# Altium PCB 打样.PcbDoc (part 1 of 2)
Units mil, origin at the board's own origin, x right, y up, seen from the top; angles counter-clockwise.
Board outline 3502.21 x 4542.23 mil, 2 copper layers (Top Layer, Bottom Layer); 65 components, 100 nets, 436 pads, 372 vias.
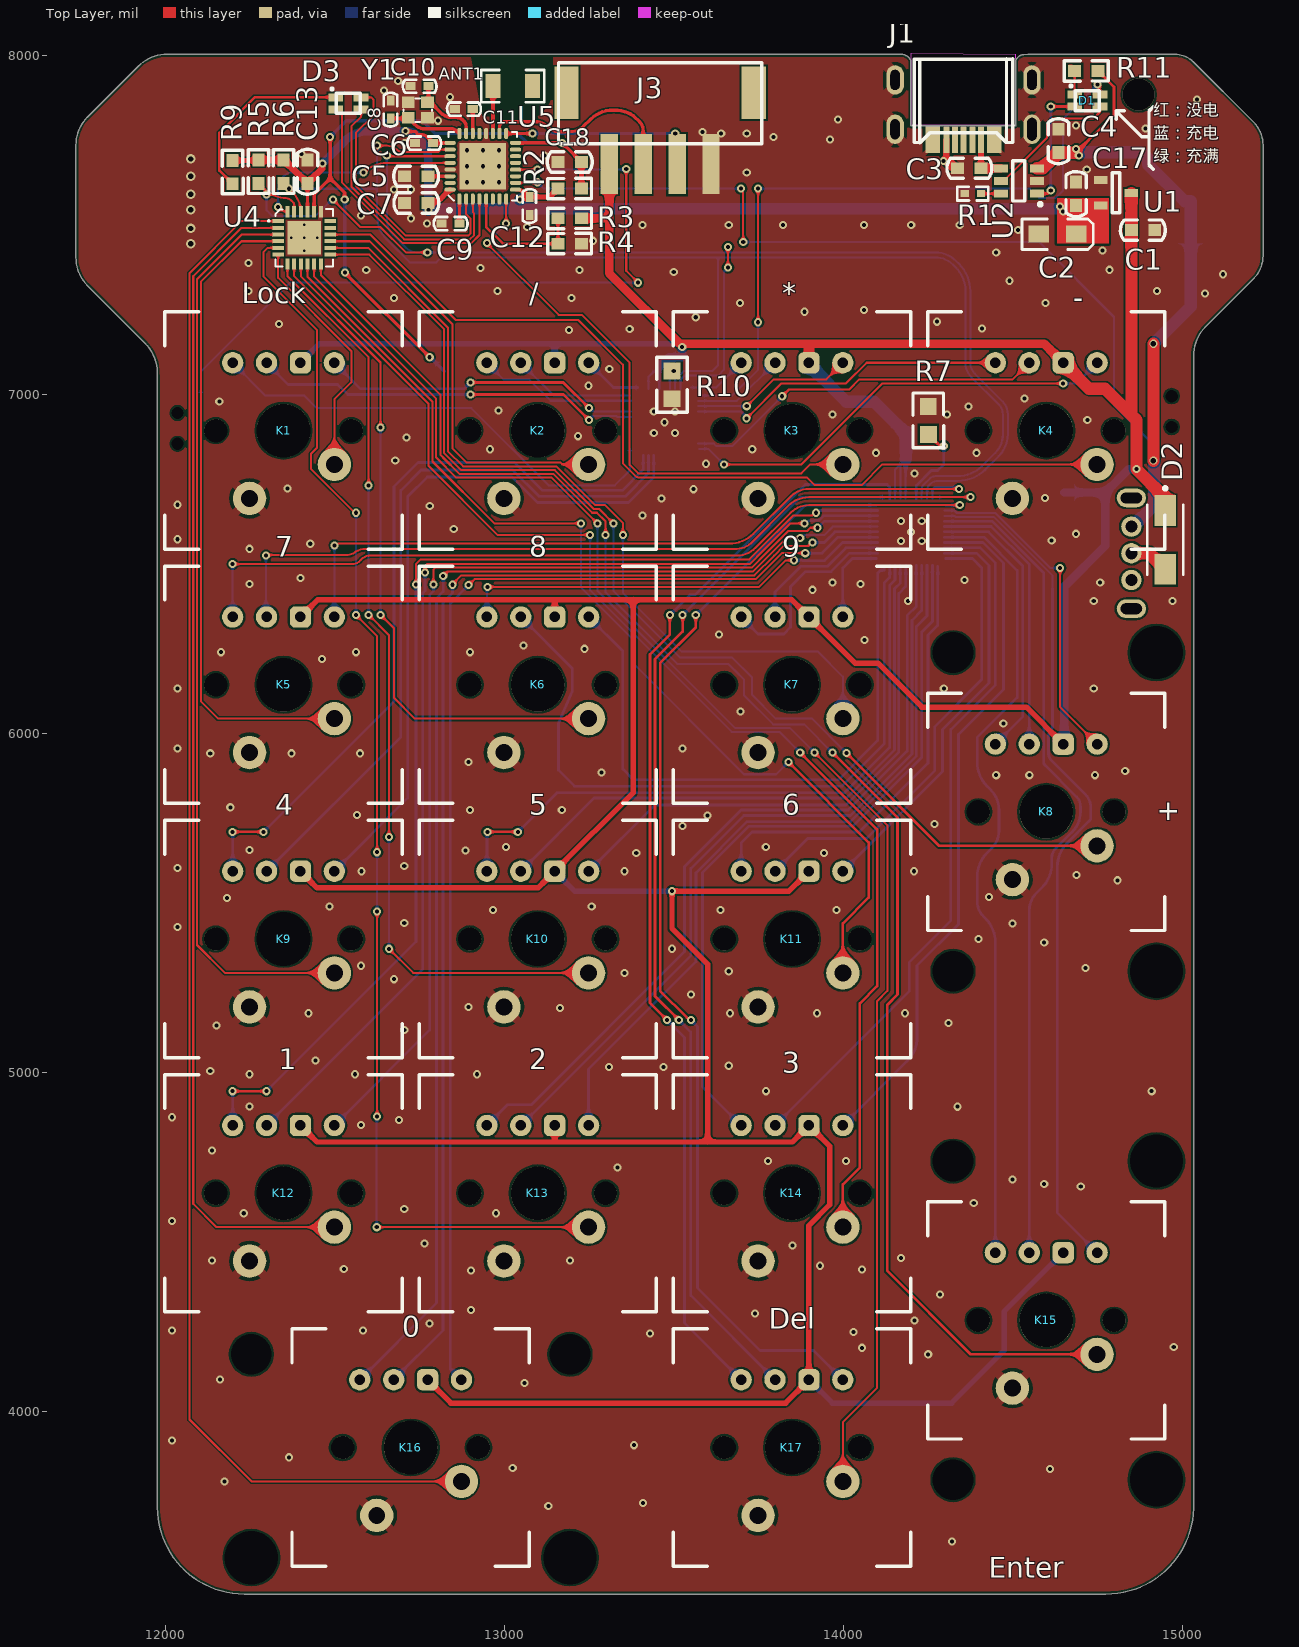
[diagram p0: Top Layer view]
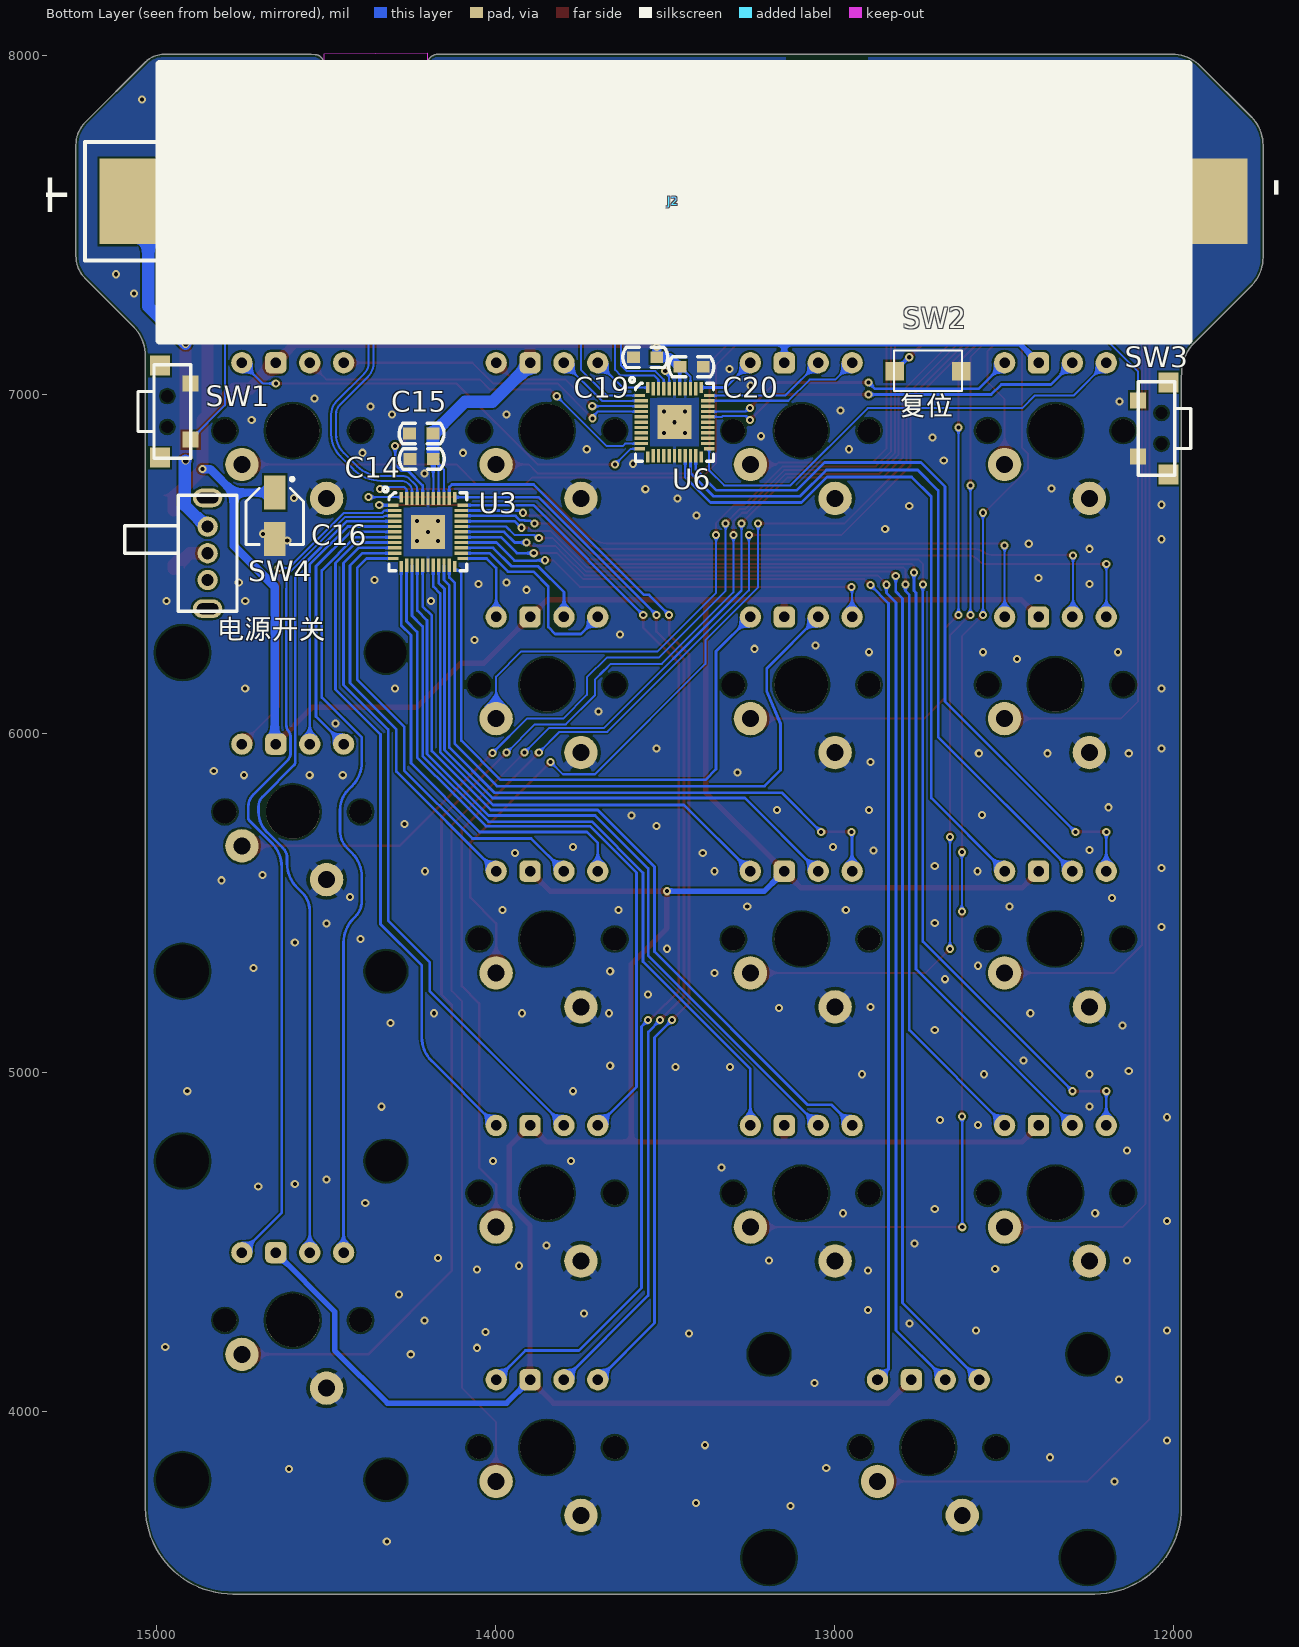
[diagram p1: Bottom Layer view, seen from below]
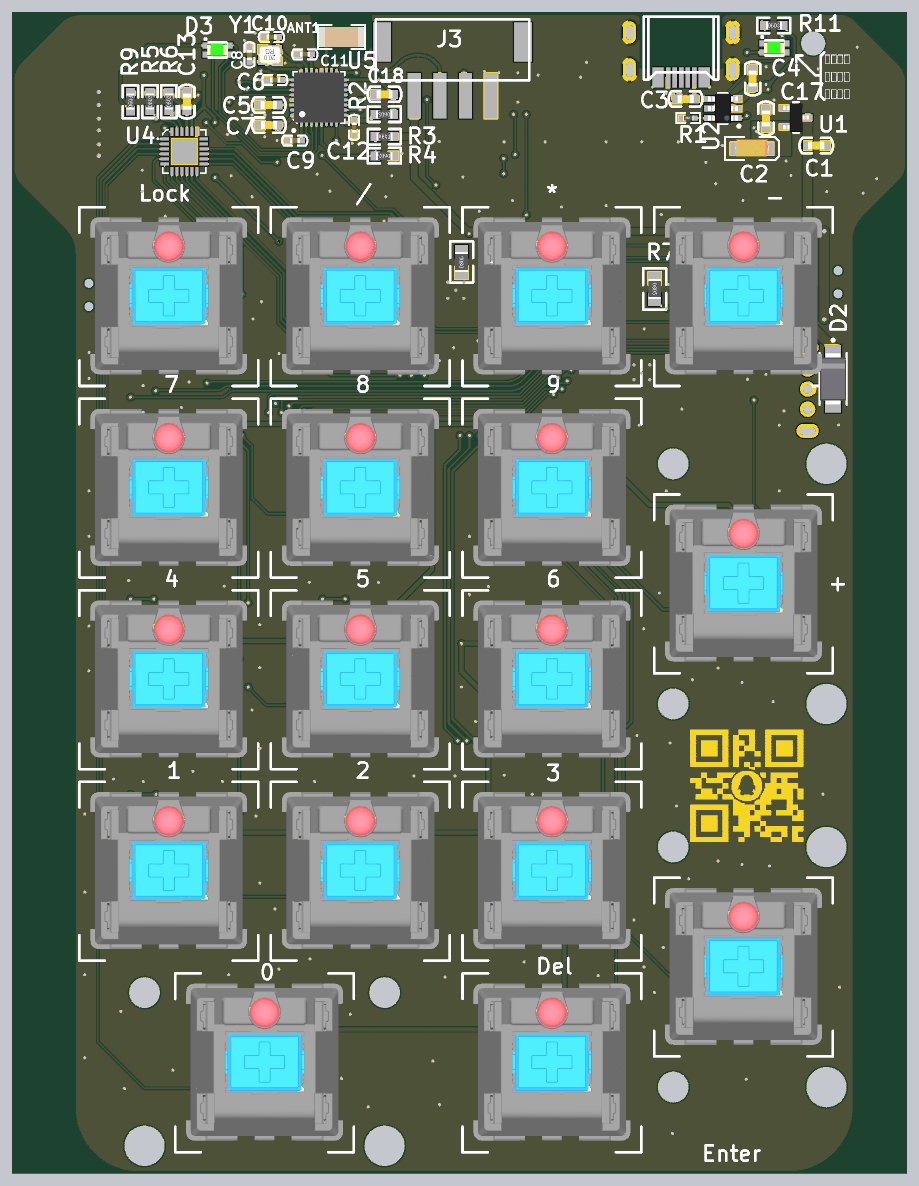
[diagram p3: 3D render of the assembled board from above, using the file's embedded part models]

## Layer stack, top to bottom
Top Solder: solder mask 0.4, Solder Resist, Dk 3.5
Top Layer: signal copper 1.4
Dielectric 1: dielectric 12.6, FR-4, Dk 4.8
Bottom Layer: signal copper 1.4
Bottom Solder: solder mask 0.4, Solder Resist, Dk 3.5

## Board outline
11976.39,7065.03 11976.39,7065.07 11976.39,7065.03 cw(c11854.29,7065) 11976.39,7065 11976.39,7065.03 11977.13,7050.08 11977.13,7050.07 cw(c11975.74,7050) 11977.13,7050 11977.13,3717.53 cw(c11975.74,3717.49) 11977.13,3717.49 ccw(c12233.23,3717.49) 12233.23,3461.39 14774.92,3461.39 cw(c14774.92,3460) 14775.11,3461.38 ccw(c14774.92,3720.14) 15033.61,3714.1 15033.61,7114.42 cw(c15155.71,7114.42) 15069.37,7200.76 15210.32,7341.71 cw(c15211.31,7340.73) 15210.33,7341.72 ccw(c15142.03,7410) 15238.61,7410 15238.61,7735.73 ccw(c15142.03,7735.73) 15210.33,7804 ccw(c15142.03,7735.73) 15210.32,7804.02 15032.46,7981.88 ccw(c14980,7929.42) 14980,8003.61 cw(c14980,8005) 14980,8003.61 cw(c14980,8005) 14980,8003.61 14545.06,8003.61 14532.36,8002.52 cw(c14532.24,8003.9) 14532.24,8002.51 ccw(c14532.24,7978.92) 14515.56,7995.6 14513.98,7994.02 ccw(c14512.99,7995) 14513.98,7994.02 ccw(c14526.3,7981.69) 14508.87,7981.69 14508.87,7793.9 cw(c14507.48,7793.9) 14507.48,7792.51 14201.5,7792.51 cw(c14201.5,7795.25) 14199.57,7793.31 cw(c14200.55,7794.3) 14199.16,7794.3 14199.16,7981.6 ccw(c14181.6,7981.6) 14194.03,7994 ccw(c14181.6,7981.6) 14194.02,7994.02 ccw(c14195,7995) 14194.03,7994 14194.02,7994.02 ccw(c14170.86,7970.86) 14170.86,8003.61 cw(c14170.86,8005) 14170.86,8003.61 ccw(c14170.86,8005) 14170.86,8003.61 14155.97,8003.61 ccw(c14155.97,8005) 14155.97,8003.61 12005.02,8003.61 12005,8003.61 ccw(c12005,8005) 12005.02,8003.61 12005,8003.61 ccw(c12005,7884.29) 11920.63,7968.66 11771.34,7819.37 ccw(c11770.36,7820.36) 11771.35,7819.38 11771.34,7819.37 ccw(c11855.71,7735) 11736.39,7735 11736.39,7405 ccw(c11855.71,7405) 11771.34,7320.63 cw(c11770.36,7319.64) 11771.35,7320.62 11771.34,7320.63 11940.63,7151.34 ccw(c11939.64,7150.36) 11940.62,7151.35 11940.63,7151.34 cw(c11854.29,7065)

## Design rules (kind name [scope] priority, off if disabled: settings)
BoardOutlineClearance [All] p1: gap=7.87 ignorepadtopadclearanceinfootprint=FALSE
Clearance [All] p1: gap=5 ignorepadtopadclearanceinfootprint=TRUE except(0: Arc-Text Arc-Hole Track-Text Track-Hole SMDPad-Hole THPad-Hole Via-Hole Fill-Text Fill-Hole Poly-Text Poly-Hole Region-Text Region-Hole Text-Text; 3.5: SMDPad-Text THPad-Text Via-Text Text-Hole; 5.91: Via-Fill Via-Poly Via-Region; 5.98: Arc-Via Track-Via SMDPad-Fill SMDPad-Poly SMDPad-Region THPad-Fill THPad-Poly THPad-Region; 6: Arc-SMDPad Arc-THPad Track-SMDPad Track-THPad; 10: SMDPad-SMDPad SMDPad-THPad SMDPad-Via THPad-THPad THPad-Via Via-Via)
ComponentClearance [All] p1: gap=10 collisioncheckmode=3 verticalgap=10 showdistances=TRUE
DiffPairsRouting [All] p1: maxlimit=10 minlimit=6 mostfreqgap=10 toplayer_minwidth=5.98 toplayer_maxwidth=15 toplayer_prefwidth=15 bottomlayer_minwidth=5.98 bottomlayer_maxwidth=15 bottomlayer_prefwidth=15 maxuncoupledlength=500
HoleSize [All] p1: absolutevalues=TRUE maxlimit=23.62 minlimit=11.81 maxpercent=80.000 minpercent=20.000
MinimumSolderMaskSliver [All] p1: minsoldermaskwidth=1.97
PlaneConnect [All] p1: planeconnectstyle=Direct reliefexpansion=20 reliefentries=4 reliefconductorwidth=10 reliefairgap=10
PolygonConnect [All] p1: thpad.connectstyle=Relief thpad.reliefconductorwidth=26 thpad.reliefentries=4 thpad.polygonreliefangle="45 Angle" thpad.airgapwidth=10 smdpad.connectstyle=Direct smdpad.reliefconductorwidth=10 smdpad.reliefentries=4 smdpad.polygonreliefangle="90 Angle" smdpad.airgapwidth=10 via.connectstyle=Direct via.reliefconductorwidth=10 via.reliefentries=4 via.polygonreliefangle="90 Angle" via.airgapwidth=10
RoutingVias [All] p1: holewidth=15.75 width=27.56 viastyle="Through Hole" minholewidth=11.81 minwidth=23.62 maxholewidth=248.03 maxwidth=275.59
SilkToSilkClearance [All] p1: silktosilkclearance=5
SilkToSolderMaskClearance [IsPad] p1: minsilkscreentomaskgap=3.5 clearancetoexposedcopper=FALSE
SolderMaskExpansion [All] p1: expansion=4
UnRoutedNet [All] p1: checkbadconnections=TRUE
Width [All] p1: maxlimit=80 minlimit=5 preferedwidth=10
22 further rules are at their usual default settings.

## Components (designator, comment, footprint, x,y, rotation, side; value= is the part's Value field where it differs from the comment)
ANT1 "天线" ANT 13025,7910 r0 top
C1 "104" C0603 14919,7485 r180 top value=22pF
C2 "104" C0603 14687.15,7626.6 r270 top value=22pF
C3 "105" C0603 14337.44,7667.6 r0 top value=22pF
C4 "226 6.3V" C0603 14635,7782.6 r270 top value=22pF
C5 "105" C0603 12775,7644.01 r180 top value=22pF
C6 "104" C0402 12787,7742.44 r180 top value=22pF
C7 "475" C0603 12706,7565 r0 top value=22pF
C8 "120" C0402 12665,7817.5 r90 top value=22pF
C9 "104" C0402 12864.91,7505 r180 top value=22pF
C10 "120" C0402 12773.54,7910 r180 top value=22pF
C11 "101" C0402 12904.28,7842.68 r180 top value=22pF
C12 "104" C0402 13075,7533.18 r90 top value=22pF
C13 "105" C0603 12419.6,7692.11 r270 top value=22pF
C14 "104" C0603 14253.26,6810.08 r180 bottom value=22pF
C15 "105" C0603 14254,6885 r180 bottom value=22pF
C16 "电解电容" "贴片电解 4*5.4" 14651.98,6642.19 r270 bottom
C17 "电解电容" 3216-ce 14687.15,7473.06 r0 top value=100pF
C18 "104" C0603 13158.51,7685.89 r0 top value=22pF
C19 "104" C0603 13594,7110 r180 bottom value=22pF
C20 "105" C0603 13388,7082 r0 bottom value=22pF
D1 "RGB_LED" LED-SMD-1.6X1.5X0.6-YX3(4P) 14720,7867.28 r0 top
D2 "肖特基" DO-214AC（SMA） 14950,6571.61 r90 top
D3 "RGB_LED" LED-SMD-1.6X1.5X0.6-YX3(4P) 12540,7859.05 r0 top
J1 "USB" MICRO-USB-2 14355,7840 r270 top
J2 "干电池" 18650 12106.57,7570 r0 bottom locked
J3 "SIP-4" XH2.54-4AB 13460,7785 r0 top
K1 "Lock" Key5RGB 12348.87,6893.83 r0 top locked
K2 "/" Key5RGB 13098.86,6893.83 r0 top locked
K3 "*" Key5RGB 13848.89,6893.83 r0 top locked
K4 "-" Key5RGB 14598.89,6893.83 r0 top locked
K5 "7" Key5RGB 12348.88,6143.86 r0 top locked
K6 "8" Key5RGB 13098.86,6143.86 r0 top locked
K7 "9" Key5RGB 13848.89,6143.86 r0 top locked
K8 "+" Key5RGB 14598.89,5768.86 r0 top locked
K9 "4" Key5RGB 12348.88,5393.86 r0 top locked
K10 "5" Key5RGB 13098.86,5393.86 r0 top locked
K11 "6" Key5RGB 13848.89,5393.86 r0 top locked
K12 "1" Key5RGB 12348.87,4643.8 r0 top locked
K13 "2" Key5RGB 13098.86,4643.8 r0 top locked
K14 "3" Key5RGB 13848.89,4643.8 r0 top locked
K15 "Enter" Key5RGB 14598.89,4268.81 r0 top locked
K16 "0" Key5RGB 12723.89,3893.81 r0 top locked
K17 "Del" Key5RGB 13848.89,3893.81 r0 top locked
R1 "1.58k" R0402 14358.24,7592.8 r0 top value=150R
R2 "10K" R0603 13227.51,7607.45 r180 top value=150R
R3 "10K" R0603 13158.51,7520 r0 top value=150R
R4 "10K" R0603 13227.51,7445 r180 top value=150R
R5 "4.7K" R0603 12275,7623.11 r90 top value=150R
R6 "4.7K" R0603 12348.87,7623.11 r90 top value=150R
R7 "2K" R0805 14250.8,6964.84 r270 top value=150R
R9 "1K" R0603 12198.58,7621.89 r90 top value=150R
R10 "2K" R0805 13495.2,6987.7 r90 top value=150R
R11 "1K" R0603 14682.6,7955 r0 top value=150R
SW1 "SW" 侧按钮 14945,6950 r90 bottom
SW2 "SW" 按键微动开关2 12725,7070 r180 bottom
SW3 "SW" 侧按钮 12060,6900 r270 bottom
SW4 "K3-1235S-K1" SW-TH_3PIN_SK12D07VG4 14850,6531.66 r270 bottom
U1 "AMS1117-3V3" SOT-23 14804.72,7595 r270 top
U2 "TP4059" SOT-23-6 14518.15,7630.2 r90 top
U3 "IS31FL3236A" QFN-44-5X5MM-0.4PITCH 14200,6595 r270 bottom
U4 "TCA8418RTWR" WQFN-24-4X4XP0.5MM 12409.75,7462.2 r0 top
U5 "nRF52810-QCAA" QFN32P500X500X90 12936.81,7673.54 r90 top
U6 "IS31FL3236A" QFN-44-5X5MM-0.4PITCH 13472.75,6918.43 r270 bottom
Y1 "32M" OSC_2016 12745,7839.19 r180 top

## Footprints (in the part's own frame and the unit in brackets; to place one, negate y for a bottom-side part, rotate by r counter-clockwise, add the part's x,y. Pads: shape width x height; smd on the part's side, far side on the other; paste and mask are expansions set on the pad)
3216-ce [mil]
  rect 60x50 smd: 1(0,0) 2(-110,0)
  silkscreen extent -160,-45 50,45, body extent -122,-31 12,35, height 67
18650 [mm] "单节电池座"
  rect 7.3x6.4 smd: 1(74.128,0) 2(-4.572,0)
  silkscreen extent -3.82,-10.29 78.87,10.41
ANT [mm]
  rect 1.13x1.8 smd: 0(1.49,0) 1(-1.49,0)
  silkscreen extent -2.36,-1.2 2.36,1.2, body extent -2.25,-1 2.25,1, height 0.88
C0402 [mil]
  rect 30x23 smd: 1(-3,0) 2(50,0)
  silkscreen extent -27,-19 73,20, body extent 2,-10 42,10, height 20
C0603 [mil]
  rect 38x35 smd: 1(0,0) 2(69,0)
  silkscreen extent -31,-30 101,30, body extent 4,-16 67,16, height 12
DO-214AC（SMA） [mm]
  rect 2.3x1.6 smd: 1(-2.2,0) 2(2.2,0)
  silkscreen extent -2.6,-1.35 3.97,1.35, body extent -2.6,-1.3 2.6,1.3, height 2.4
Key5RGB [mm]
  rrect50% 1.6x1.6 hole 0.787: 0(1.27,5.08)
  round 1.6 hole 0.787: 1(3.81,5.08) 2(-1.27,5.08) 3(-3.81,5.08)
  round 2.5 hole 1.27: 4(-2.54,-5.08) 5(3.81,-2.54)
  round 1.7 hole 1.753: ""(-5.08,0) ""(5.08,0)
  round 4 hole 4.013: ""(0,0)
  silkscreen extent -8.89,-8.89 8.89,8.89, body extent -7.8,-7.73 7.8,7.87, height 15.47
LED-SMD-1.6X1.5X0.6-YX3(4P) [mm]
  rect 1.1x0.6 smd: 0(-0.95,0.45) 1(-0.95,-0.45) 2(0.95,-0.45) 3(0.95,0.45)
  silkscreen extent -1.27,-0.75 0.9,1.14, body extent -1.06,-0.62 0.96,0.64, height 1.1
MICRO-USB-2 [mm]
  rect 2x0.45 smd: 1(2.243,1.307) 2(2.243,0.656) 3(2.243,0.007) 4(2.243,-0.643) 5(2.243,-1.293)
  oval 2.2x1.3 hole 0.7 slot 1.5 at 0 deg: 5(-2.243,5.126) 5(-2.243,-5.126) 5(1.458,-5.126)
  oval 2.2x1.3 hole 0.7 slot 1.701 at 0 deg: 5(1.458,5.126)
  rect 2x1.1 smd: 5(2.228,2.296) 5(2.228,-2.304)
  Keep-Out Layer board cut-out: -4.163,3.873 1.171,3.873 1.171,-3.933 -4.183,-3.923 -4.233,-3.923 -4.163,3.873
  silkscreen extent -3.81,-3.7 2.46,3.7
OSC_2016 [mm] "Crystal 2.0 x 1.6 mm"
  rect 0.95x0.85 smd: 1(-0.725,-0.575) 2(0.725,0.575) 3(-0.725,0.575) 3(0.725,-0.575)
  silkscreen extent -1.08,-0.88 1.08,0.88, body extent -1.05,-0.85 1.05,0.85, height 0.56
QFN32P500X500X90 [mm] "nrf52810qcaa"
  oval 0.85x0.3 smd mask+0.076: 1(-2.45,1.75) 2(-2.45,1.25) 3(-2.45,0.75) 4(-2.45,0.25) 5(-2.45,-0.25) 6(-2.45,-0.75) 7(-2.45,-1.25) 8(-2.45,-1.75) 17(2.45,-1.75) 18(2.45,-1.25) 19(2.45,-0.75) 20(2.45,-0.25) 21(2.45,0.25) 22(2.45,0.75) 23(2.45,1.25) 24(2.45,1.75)
  oval 0.3x0.85 smd mask+0.076: 9(-1.75,-2.45) 10(-1.25,-2.45) 11(-0.75,-2.45) 12(-0.25,-2.45) 13(0.25,-2.45) 14(0.75,-2.45) 15(1.25,-2.45) 16(1.75,-2.45) 25(1.75,2.45) 26(1.25,2.45) 27(0.75,2.45) 28(0.25,2.45) 29(-0.25,2.45) 30(-0.75,2.45) 31(-1.25,2.45) 32(-1.75,2.45)
  rect 3.5x3.5 smd: 33(0,0)
  silkscreen extent -3.42,-2.57 2.57,2.62, body extent -2.5,-2.5 2.5,2.5, height 0.9
QFN-44-5X5MM-0.4PITCH [mm]
  rect 0.25x0.8 smd: 1(-2,-2.6) 11(2,-2.6) 23(2,2.6) 33(-2,2.6)
  rect 0.25x1 smd: 2(-1.6,-2.5) 3(-1.2,-2.5) 4(-0.8,-2.5) 5(-0.4,-2.5) 6(0,-2.5) 7(0.4,-2.5) 8(0.8,-2.5) 9(1.2,-2.5) 10(1.6,-2.5) 24(1.6,2.5) 25(1.2,2.5) 26(0.8,2.5) 27(0.4,2.5) 28(0,2.5) 29(-0.4,2.5) 30(-0.8,2.5) 31(-1.2,2.5) 32(-1.6,2.5)
  rect 0.8x0.25 smd: 12(2.6,-2) 22(2.6,2) 34(-2.6,2) 44(-2.6,-2)
  rect 1x0.25 smd: 13(2.5,-1.6) 14(2.5,-1.2) 15(2.5,-0.8) 16(2.5,-0.4) 17(2.5,0) 18(2.5,0.4) 19(2.5,0.8) 20(2.5,1.2) 21(2.5,1.6) 35(-2.5,1.6) 36(-2.5,1.2) 37(-2.5,0.8) 38(-2.5,0.4) 39(-2.5,0) 40(-2.5,-0.4) 41(-2.5,-0.8) 42(-2.5,-1.2) 43(-2.5,-1.6)
  rect 2.55x2.55 smd: 45(0,0)
  silkscreen extent -3.35,-3.35 2.92,2.92
R0402 [mil] "1/16W"
  rect 25x20 smd: 1(0,0) 2(48.2,0)
  silkscreen extent -22,-20 70,20, body extent 5,-10 44,10, height 14
R0603 [mil] "1/10W"
  rect 38x35 smd: 1(0,0) 2(69,0)
  silkscreen extent -30,-31 99,30, body extent 4,-16 66,16, height 18
R0805 [mil] "1/8W"
  rect 50x50 smd: 1(0,0) 2(82.3,0.2)
  silkscreen extent -40,-45 122,45, body extent 1,-24 80,25, height 22
SOT-23 [mm] "SOT-23-3"
  rect 0.6x1 smd: 1(-0.95,-1.15) 2(0.95,-1.15) 3(0,1.15)
  silkscreen extent -1.5,-0.27 1.5,0.27, body extent -1.46,-1.28 1.46,1.27, height 0.99
SOT-23-6 [mm] "SOT-23-6"
  rect 0.6x1.05 smd: 1(-0.95,-1.35) 2(0,-1.35) 3(0.95,-1.35) 4(0.95,1.35) 5(0,1.35) 6(-0.95,1.35)
  silkscreen extent -1.88,-1.73 1.5,0.45, body extent -1.5,-1.5 1.5,1.5, height 1.3
SW-TH_3PIN_SK12D07VG4 [mil]
  oval 55.12x86.61 hole 31.5 slot 62.99 at 90 deg: 0(-163.39,0) 0(163.39,0)
  round 60 hole 36: 1(-78.74,0) 2(0,0) 3(78.74,0)
  silkscreen extent -171,-244 171,87
WQFN-24-4X4XP0.5MM [mil]
  rect 33.4x11.8 smd: 1(-76.75,49.2) 2(-76.75,29.5) 3(-76.75,9.8) 4(-76.75,-9.9) 5(-76.75,-29.5) 6(-76.75,-49.2) 13(76.75,-49.2) 14(76.75,-29.5) 15(76.75,-9.9) 16(76.75,9.8) 17(76.75,29.5) 18(76.75,49.2)
  rect 11.8x33.4 smd: 7(-49.15,-76.8) 8(-29.55,-76.8) 9(-9.85,-76.8) 10(9.85,-76.8) 11(29.55,-76.8) 12(49.25,-76.8) 19(49.25,76.8) 20(29.55,76.8) 21(9.85,76.8) 22(-9.85,76.8) 23(-29.55,76.8) 24(-49.15,76.8)
  rect 98.4x98.4 smd: 25(0.25,0.2)
  silkscreen extent -107,-85 85,85
XH2.54-4AB [mm]
  rect 1.3x4.5 smd: 1(-3.811,-2.675) 2(-1.271,-2.675) 3(1.269,-2.675) 4(3.809,-2.675)
  rect 1.801x3.901 smd: 5(-7.011,2.675) 6(7.011,2.675)
  silkscreen extent -7.62,-1.13 7.62,4.93
侧按钮 [mil]
  rect 47.24x47.24 smd: 1(-82.67,-45) 2(82.68,-45)
  rect 59.05x59.05 smd: 3(-135.82,45) 3(135.83,45)
  oval 0x43.03 hole 36 unplated mask+0: ""(-45.3,23.9) ""(45.3,23.9)
  silkscreen extent -138,-45 138,111
按键微动开关2 [mm]
  rect 1.4x1.4 smd: 1(-2.5,-0.024) 2(2.5,-0.024)
  silkscreen extent -2.54,-1.52 2.54,1.52, body extent -2.5,-1.52 2.5,1.48, height 2.1
"贴片电解 4*5.4" [mm] "贴片电解 4*5.4"
  rect 2.55x1.6 smd: 1(-1.75,0) 2(1.75,0)
  silkscreen extent -2.87,-2.15 2.15,2.15

## Part data
C1 C2 C3 C4 C5 C6 C7 C8 C9 C10 C11 C12 C13 C14 C15 C18 C19 C20: library part 电容, "Capacitor", LatestRevisionDate=17-Jul-2002, LatestRevisionNote="Re-released for DXP Platform.", PackageDescription="Radial Cap, Thru-Hole; 2 Leads; 0.3 in Pin Spacing", PackageReference=RAD-0.3, Published=8-Jun-2000, Publisher="Altium Limited"
C16 C17: "Polarized Capacitor (Axial)"
  C17: LatestRevisionDate=17-Jul-2002, LatestRevisionNote="Re-released for DXP Platform.", PackageDescription="Polarized Capacitor; 2 Leads", PackageReference=POLAR0.8, Published=8-Jun-2000, Publisher="Altium Limited"
D2: "Schottky Diode"
J2: "Battery"
K1 K2 K3 K4 K5 K6 K7 K8 K9 K10 K11 K12 K13 K14 K15 K16 K17: library part Key5RGB
R1 R2 R3 R4 R5 R6 R7 R9 R10 R11: library part 电阻, "Resistor", LatestRevisionDate=17-Jul-2002, LatestRevisionNote="Re-released for DXP Platform.", PackageDescription="Axial Device, Thru-Hole; 2 Leads; 0.3 in Pin Spacing", PackageReference=AXIAL-0.3, Published=8-Jun-2000, Publisher="Altium Limited"
SW1 SW2 SW3: library part Switch, "Single-Pole, Single-Throw Switch"
SW4: library part 单刀双掷, "Switch"
U1: library part 三端稳压, "三端稳压芯片", BOM名称=Î, 学习资源=www.oooc
U3 U6: library part FL3236, "36 CHANNEL LED DRIVER"
U4: library part TCA8418, BOM_Manufacturer="Texas Instruments", BOM_Manufacturer Part=TCA8418RTWR, BOM_Supplier=LCSC, BOM_Supplier Part=C138713, Contributor=LCSC, spicePre=U, spiceSymbolName=TCA8418RTWR
U5: "Multi-protocol Bluetooth Low Energy, ANT and 2.4GHz proprietary system-on-chip", Manufacturer="Nordic Semiconductor", Footprint Doc=QFN-32, LatestRevisionDate=2017-08-21, Manufacturer Part Number=nRF52810-QCAA, Note="nRF52810 - QFN32 5x5 0.5mm pitch", Part Number=nRF52810-QCAA, Pin Count=32, Published=2017-08-21, Publisher="Nordic Semiconductor"
Y1: library part XTAL_3Pin

## Free pads (board coordinates)
  round 0 hole 120: 0(12253.89,4168.81) 0(14323.89,3798.81) 0(14323.89,5298.86) 3(13193.89,4168.81) 3(14323.89,4738.81) 3(14323.89,6238.86)
  round 0 hole 157: 1(12253.89,3568.81) 1(14923.89,3798.81) 1(14923.89,5298.86) 4(13193.89,3568.81) 4(14923.89,4738.81) 4(14923.89,6238.86)

## Via types
v1: diameter 24, hole 12, Top Layer to Bottom Layer, tented both sides, 344 vias
v2: diameter 24, hole 12, Top Layer to Bottom Layer, tented bottom, 9 vias
v3: diameter 28, hole 16, Top Layer to Bottom Layer, tented both sides, 6 vias
v4: diameter 24, hole 12, Top Layer to Bottom Layer, tented top, 5 vias
v5: diameter 19.68, hole 7.87, Top Layer to Bottom Layer, tented both sides, 4 vias
v6: diameter 24, hole 16, Top Layer to Bottom Layer, tented both sides, 2 vias
v7: diameter 94.49, hole 94.49, Top Layer to Bottom Layer, tented both sides, 1 vias
v8: diameter 24, hole 7.87, Top Layer to Bottom Layer, tented both sides, 1 vias

## Nets (pads, with @x,y where several pads share a name; then routed paths per layer and width w, separated by ;. In a path a pad name is that pad's centre, name@x,y a point inside that pad or via, vN(x,y) a via of type N, cw(c..) or ccw(c..) an arc to the next point about the centre after c; other vN are vias at no path point)
+5: C3.2 J1.1 U2.4 | length 142.7
  Top Layer w15: C3.2@14406.44,7667.6 J1.1@14406.44,7751.69
  Top Layer w25: C3.2@14406.44,7667.6 U2.4@14465,7667.6
\CHRG: D1.1 U2.1 | length 362.7
  Top Layer w8: U2.1@14571.3,7592.8 14603.07,7592.8 v1(14612.28,7602) ; v1(14612.28,7849.56) D1.1@14682.6,7849.56
  Bottom Layer w8: v1(14612.28,7602) v1(14612.28,7849.56)
\INT: U4.24 U5.28 | length 629.1
  Top Layer w6: v1(12333,7553.31) 12337.91,7548.4 ccw(c12360.6,7571.09) U4.24@12360.6,7539 ; v1(12585,7655) cw(c12653.53,7586.47) 12653.53,7683.39 U5.28@12840.35,7683.39
  Bottom Layer w6: v1(12333,7553.31) 12333,7605.71 cw(c12387.17,7605.71) 12348.87,7644.02 cw(c12375.39,7617.49) 12375.39,7655 v1(12585,7655)
\STDBY: D1.2 U2.5 | length 416.4
  Top Layer w6: U2.5@14465,7630.2 14473.86,7630.2 14600.52,7756.85 14600.52,7797.35 14618.05,7814.89 14738.77,7814.89 14757.4,7833.51 D1.2@14757.4,7849.56
BLED: D3.1 U5.4 | length 825.4
  Top Layer w6: D3.1@12502.6,7841.33 12512.44,7841.33 12521.25,7832.52 12521.25,7625.72 12700.37,7446.6 12902.91,7446.6 12926.97,7470.66 U5.4@12926.97,7577.09
CH1: K5.1 U3.43 | length 2225.2
  Top Layer w6: v1(12498.88,6555) cw(c12510.95,6542.93) 12510.95,6560 13664.06,6560 ccw(c13664.06,6660) 13734.77,6589.29 13844.71,6699.23 cw(c13898.89,6645.05) 13898.89,6721.67 v1(14341.5,6721.67)
  Bottom Layer w6: K5.1@12498.88,6343.86 v1(12498.88,6555) ; U3.43@14262.99,6693.42 14262.99,6708.69 cw(c14278.23,6708.69) 14263.18,6711.09 14263.18,6720.84 14269.61,6727.26 14331.04,6727.26 14336.63,6721.67 v1(14341.5,6721.67)
CH2: K5.2 U3.44 | length 2426.8
  Top Layer w6: v1(12297.1,6525) cw(c12302.7,6519.4) 12302.7,6527.32 12539.2,6527.32 ccw(c12539.2,6560.29) 12555.01,6531.36 ; v1(14375,6697.36) 13898.89,6697.36 ccw(c13898.89,6611.55) 13838.21,6672.23 13728.12,6562.14 cw(c13686.74,6603.52) 13686.74,6545 12590.68,6545 ccw(c12590.68,6491.55) 12562.51,6536.98 ; 12555.01,6531.36 cw(c12590.68,6491.55) 12562.51,6536.98 ; 12555.01,6531.36 ccw(c12539.2,6560.29) 12562.51,6536.98
  Bottom Layer w6: v1(12297.1,6525) 12297.1,6348.17 ccw(c12303.19,6348.17) K5.2@12298.88,6343.86 ; U3.44@14278.74,6697.36 v1(14375,6697.36)
CH3: K5.3 U3.1 | length 2404.8
  Top Layer w6: v1(12198.88,6500) 12550.86,6500 ccw(c12550.86,6534.14) 12575,6510 12575,6510.28 12578.91,6514.19 ; 12578.93,6514.21 cw(c12605,6488.1) 12605,6525 13686.27,6525 ccw(c13686.27,6602.74) 13741.24,6547.77 13844.79,6651.32 cw(c13898.89,6597.28) 13898.89,6673.74 v1(14343.73,6673.74)
  Bottom Layer w6: K5.3@12198.88,6343.86 v1(12198.88,6500)
  Bottom Layer w8: U3.1@14302.37,6673.74 v1(14343.73,6673.74)
CH4: K6.1 U3.22 | length 1830.5
  Bottom Layer w8: K6.1@13248.86,6343.86 13350,6242.72 13350,5895 13381.49,5863.51 13985.65,5863.51 14101.58,5979.43 14101.58,6472.95 14110.45,6481.82 14120.34,6481.82 14121.26,6482.74 U3.22@14121.26,6492.64
CH5: K6.2 U3.21 | length 2088.5
  Bottom Layer w8: K6.2@13048.86,6343.86 13200.64,6192.07 13200.64,6125 13160,6029.45 13160,5892.09 13207.13,5844.96 13996.12,5844.96 14120.71,5969.55 14120.71,6444.23 14137.01,6460.53 U3.21@14137.01,6496.57
CH6: K6.3 U3.26 | length 1295.7
  Top Layer w6: v1(12950.52,6432.67) 13752.2,6432.67 13830.69,6511.15 v1(13854.81,6511.15)
  Bottom Layer w6: K6.3@12948.86,6343.86 12948.86,6431 v1(12950.52,6432.67)
  Bottom Layer w8: v1(13854.81,6511.15) 13854.94,6511.03 13877.88,6511.03 13878.88,6510.03 13944.55,6510.03 13998.02,6563.5 U3.26@14101.58,6563.5
CH7: K7.1 U3.23 | length 254.8
  Bottom Layer w8: K7.1@13998.89,6343.86 13998.89,6488.42 14026.72,6516.26 U3.23@14097.64,6516.26
CH8: K7.2 U3.25 | length 430.4
  Bottom Layer w8: K7.2@13798.89,6343.86 13798.89,6417.62 13874.88,6493.61 13953.91,6493.61 14008.06,6547.76 U3.25@14101.58,6547.76
CH9: K7.3 U3.24 | length 591.8
  Bottom Layer w8: K7.3@13698.89,6343.86 13748.76,6293.99 13825,6293.99 13844.79,6313.78 13844.79,6433.02 13889.25,6477.48 13963.84,6477.48 14018.37,6532.01 U3.24@14101.58,6532.01
CH10: K9.1 U6.19 | length 2070.3
  Bottom Layer w8: K9.1@12498.88,5593.86 12715,5809.98 12715,6698.54 12773.02,6756.56 13023.06,6756.56 13098.29,6681.34 13366.03,6681.34 13441.26,6756.56 U6.19@13441.26,6820
CH11: K9.2 U6.20 | length 2155.3
  Bottom Layer w8: K9.2@12298.88,5593.86 12695,5989.98 12695,6717.43 12755.13,6777.56 13024.91,6777.56 13102.47,6700 13357.44,6700 13425.51,6768.07 U6.20@13425.51,6820
CH12: K9.3 U6.21 | length 2250.6
  Top Layer w8: v1(12198.88,5710) v1(12290.11,5710)
  Bottom Layer w8: K9.3@12198.88,5593.86 v1(12198.88,5710) ; v1(12290.11,5710) 12675,6094.89 12675,6728.79 12745.95,6799.74 13030.26,6799.74 13112.57,6717.43 13348.61,6717.43 13409.76,6778.58 U6.21@13409.76,6820
CH13: K10.1 U3.18 | length 1620.1
  Bottom Layer w8: K10.1@13248.86,5593.86 13444.47,5789.47 14007.66,5789.47 14163.98,5945.79 14163.98,6413.11 14184.26,6433.39 U3.18@14184.26,6496.57
CH14: K10.2 U3.19 | length 1802.8
  Bottom Layer w8: K10.2@13048.86,5593.86 13264.69,5809.69 14009.49,5809.69 14150.98,5951.18 14150.98,6427.23 14168.51,6444.76 U3.19@14168.51,6496.57
CH15: K10.3 U3.20 | length 1950.8
  Top Layer w8: v1(12950.52,5710) v1(13039.98,5710)
  Bottom Layer w8: K10.3@12948.86,5593.86 12948.86,5708.34 v1(12950.52,5710) ; v1(13039.98,5710) 13155.36,5825.38 14003.78,5825.38 14137.01,5958.6 14137.01,6437.17 14152.76,6452.92 U3.20@14152.76,6496.57
CH16: K11.1 U3.10 | length 1226.7
  Bottom Layer w8: K11.1@13998.89,5593.86 14293.15,5888.12 14293.15,6012.23 14429.98,6149.06 14429.98,6495.22 14393.19,6532.01 U3.10@14298.42,6532.01
CH17: K11.2 U3.11 | length 1366.7
  Bottom Layer w8: K11.2@13798.89,5593.86 13895.4,5690.38 14068.97,5690.38 14270.14,5891.55 14270.14,6020.39 14408.75,6159 14408.75,6488.36 14380.86,6516.26 U3.11@14302.37,6516.26
CH18: K11.3 U3.12 | length 1324.3
  Bottom Layer w8: K11.3@13698.89,5593.86 13698.89,5677.74 13731,5709.85 14047.36,5709.85 14250.11,5912.59 14250.11,6290.23 14278.74,6318.87 U3.12@14278.74,6492.64
CH19: K12.1 U3.30 | length 3131.3
  Top Layer w6: v1(12790.82,6439.65) 12790.82,6483.63 12796.82,6489.63 13729.78,6489.63 13774.24,6534.1 13837.7,6597.56 13893.44,6597.56 13902.98,6607.1 v1(13924.22,6607.1)
  Bottom Layer w8: K12.1@12498.87,4843.8 12780,5124.94 12780,6409.05 12791.52,6420.58 12791.52,6438.95 v1(12790.82,6439.65) ; v1(13924.22,6607.1) 13925.15,6607.1 13944.55,6626.5 U3.30@14101.58,6626.5
CH20: K12.2 U3.31 | length 3240.7
  Top Layer w6: v1(12766.49,6475) 12766.49,6494.55 12772.57,6500.63 13725.22,6500.63 13763.24,6538.66 13844.6,6620.01 v1(13886.21,6620.01)
  Bottom Layer w8: K12.2@12298.87,4843.8 12760,5304.94 12760,6415.09 12766.49,6421.58 v1(12766.49,6475) ; v1(13886.21,6620.01) 13890.54,6620.01 13898.12,6627.59 13913.61,6627.59 13915.11,6629.09 13928.75,6629.09 13941.9,6642.24 U3.31@14101.58,6642.24
CH21: K12.3 U3.32 | length 3366.3
  Top Layer w6: v1(12740,6439.65) 12740,6500.63 12753.37,6514 13723.03,6514 13752.24,6543.21 13852.19,6643.16 13907.37,6643.16 13915.53,6651.32 v1(13919.89,6651.32)
  Top Layer w8: v1(12198.88,4945) v1(12298.88,4945)
  Bottom Layer w8: K12.3@12198.87,4843.8 v1(12198.88,4945) ; v1(12298.88,4945) 12740,5386.12 v1(12740,6439.65) ; v1(13919.89,6651.32) 13924.22,6651.32 13930.89,6657.99 U3.32@14101.58,6657.99
CH22: K8.1 U3.2 | length 976.4
  Top Layer w6: v1(14640,6488.36) 14640,6077.74 K8.1@14748.89,5968.86
  Bottom Layer w6: U3.2@14298.42,6657.99 14328.39,6657.99 14335.67,6650.72 14448.03,6650.72 14610.38,6488.36 v1(14640,6488.36)
CH23: K8.2 U3.5 | length 826.5
  Bottom Layer w8: U3.5@14298.42,6610.75 14436.4,6610.75 14548.89,6498.27 K8.2@14548.89,5968.86
CH24: K8.3 U3.6 | length 831.9
  Bottom Layer w8: U3.6@14298.42,6595 14428.6,6595 14529.98,6493.61 14529.98,6049.96 K8.3@14448.89,5968.86
CH25: K13.1 U3.14 | length 2244.9
  Bottom Layer w8: K13.1@13248.86,4843.8 13248.86,5010.29 13565.51,5326.95 13565.51,5589.08 13716.42,5739.99 14021.32,5739.99 14215.74,5934.41 14215.74,6315.99 14247.24,6347.49 U3.14@14247.24,6496.57
CH26: K13.2 U3.15 | length 2326.8
  Bottom Layer w8: K13.2@13048.86,4843.8 13550.52,5345.47 13550.52,5602.05 13706.76,5758.29 14021.24,5758.29 14202.74,5939.8 14202.74,6334.01 14231.49,6362.76 U3.15@14231.49,6496.57
CH27: K13.3 U3.16 | length 2403.3
  Bottom Layer w8: K13.3@12948.86,4843.8 13010.05,4905 13079.92,4905 13531.52,5356.6 13531.52,5607.13 13699.13,5774.73 14014.64,5774.73 14188.51,5948.61 14188.51,6347.98 14215.74,6375.22 U3.16@14215.74,6496.57
CH28: K14.1 U3.8 | length 2050.4
  Bottom Layer w8: K14.1@13998.89,4843.8 14188.63,5033.55 ccw(c14117.92,5104.26) 14217.92,5104.26 14217.92,5315.42 14340,5437.5 14340,5997.54 14472.52,6130.06 14472.52,6503.35 14412.37,6563.5 U3.8@14298.42,6563.5
CH29: K14.2 U3.9 | length 2097.6
  Bottom Layer w8: K14.2@13798.89,4843.8 14195,5239.92 14195,5325.57 14317.4,5447.97 14317.4,6012.19 14448.89,6143.68 14448.89,6503.35 14404.48,6547.76 U3.9@14298.42,6547.76
CH30: K14.3 U3.13 | length 2160.8
  Bottom Layer w8: K14.3@13698.89,4843.8 13585,4957.69 13585,5590.18 13721.69,5726.87 14028.69,5726.87 14120.71,5818.89 14231.74,5929.91 14231.74,6299.77 14263.18,6331.21 14263.18,6496.38 U3.13@14262.99,6496.57
CH31: K16.1 U3.27 | length 3646
  Top Layer w6: v1(12894.96,6438.1) 12912.47,6455.61 13742.42,6455.61 13807.24,6520.43 13818.95,6532.14 13886.35,6532.14 v1@13887.99,6530.5
  Bottom Layer w8: K16.1@12873.89,4093.81 12841.15,4126.55 12841.15,6384.29 v1(12894.96,6438.1) ; v1(13887.99,6532.01) 13937.35,6532.01 13984.59,6579.25 U3.27@14101.58,6579.25
CH32: K16.2 U3.28 | length 3737.1
  Top Layer w6: v1(12847.74,6438.95) 12847.74,6441.41 12872.94,6466.61 13737.87,6466.61 13796.24,6524.99 13824.97,6553.72 13896.75,6553.72 13906.54,6563.5 v1(13909.27,6563.5)
  Bottom Layer w8: K16.2@12673.89,4093.81 12819.42,4239.35 12819.42,6386.88 12847.63,6415.09 12847.63,6438.85 v1(12847.74,6438.95) ; v1(13909.27,6563.5) 13944.04,6563.5 13975.54,6595 U3.28@14101.58,6595
CH33: K16.3 U3.29 | length 3815.1
  Top Layer w6: v1(12820,6465) 12833.63,6478.63 13734.33,6478.63 13785.24,6529.55 13832.27,6576.57 v1(13873.07,6576.57)
  Bottom Layer w6: v1(13873.07,6576.57) 13877.94,6576.57 13887.48,6586.12 13945.2,6586.12 13969.84,6610.75 U3.29@14101.58,6610.75
  Bottom Layer w8: K16.3@12573.89,4093.81 12800,4319.93 12800,6398.65 12820,6418.65 v1(12820,6465)
CH34: K15.1 U3.3 | length 2524.6
  Bottom Layer w6: U3.3@14298.42,6642.24 14328.59,6642.24 14331.46,6639.37 14443.83,6639.37 14617.63,6465.56 14617.63,6427.23
  Bottom Layer w8: 14617.63,6427.23 14617.63,6025.06 cw(c14589.13,6025.06) 14609.28,6004.91 ccw(c14639.78,5988.89) 14605.33,5988.89 14605.33,5942.68 ccw(c14636.77,5942.68) 14614.54,5920.45 14715.2,5819.79 cw(c14679.48,5784.06) 14730,5784.06 14730,5752.2 cw(c14715.2,5752.2) 14725.67,5741.74 14660.85,5676.92 ccw(c14731.56,5606.21) 14631.56,5606.21 14631.56,4586.13 K15.1@14748.89,4468.81
CH35: K15.2 U3.4 | length 2454
  Bottom Layer w8: U3.4@14298.42,6626.5 14439.04,6626.5 14591.16,6474.38 14591.16,5916.02 ccw(c14604.17,5916.02) 14594.97,5906.82 14688.49,5813.3 cw(c14660.71,5785.52) 14700,5785.52 14700,5769.25 cw(c14616,5769.25) 14675.4,5709.85 14627.4,5661.86 ccw(c14656.03,5633.23) 14615.55,5633.23 14615.55,5616.46 cw(c14515.55,5616.46) 14586.26,5545.75 14570,5529.49 ccw(c14620.98,5478.52) 14548.89,5478.52 K15.2@14548.89,4468.81
CH36: K15.3 U3.7 | length 2369.4
  Bottom Layer w8: U3.7@14298.42,6579.25 14415,6579.25 14512.97,6481.28 14512.97,6106.16 14395,5988.19 14395,5915.67 ccw(c14495,5915.67) 14424.29,5844.96 14434.25,5835 cw(c14373.84,5774.59) 14459.27,5774.59 14459.27,5712.42 cw(c14387.76,5712.42) 14438.33,5661.86 14424.29,5647.82 ccw(c14495,5577.11) 14395,5577.11 14395,5507.34 ccw(c14463.28,5507.34) 14415,5459.06 14419.6,5454.46 cw(c14348.89,5383.75) 14448.89,5383.75 K15.3@14448.89,4468.81
CH37: K17.1 U3.33 | length 3284.6
  Top Layer w8: v1(13550.52,5155) 13546.19,5155 13539.44,5161.75 13539.34,5161.75 13460,5241.09 13460,6207.72 13565,6312.72 v1(13565,6350)
  Bottom Layer w8: v1(13550.52,5155) 13570,5135.52 13570,4365 13755,4180 13912.7,4180 K17.1@13998.89,4093.81 ; v1(13565,6350) 13565.08,6350 13888.82,6673.74 U3.33@14097.64,6673.74
CH38: K17.2 U3.34 | length 3175.3
  Top Layer w8: v1(13515,5155) 13445,5225 13445,6220 13526.28,6301.28 v1(13526.28,6350)
  Bottom Layer w8: v1(13515,5155) 13550,5120 13550,5055 13550.52,5054.48 13550.52,4342.17 K17.2@13798.89,4093.81 ; v1(13526.28,6350) 13873.64,6697.36 U3.34@14121.26,6697.36
CH39: K17.3 U3.35 | length 3236.5
  Top Layer w8: v1(13480,5155) 13430,5205 13430,6233.73 13488.5,6292.23 v1(13488.5,6350)
  Bottom Layer w8: v1(13480,5155) 13531.52,5103.48 13531.52,4261.17 K17.3@13698.89,4093.81 ; v1(13488.5,6350) 13547.55,6409.05 13562.66,6409.05 13888.23,6734.62 14129.65,6734.62 14137.01,6727.26 U3.35@14137.01,6693.42
CH40: K1.1 U6.30 | length 950.6
  Top Layer w8: v1(12900,7035.82) 13174.18,7035.82 v1(13250,6960)
  Bottom Layer w6: v1(13250,6960) 13253.43,6960 13263.5,6949.93 U6.30@13374.33,6949.93
  Bottom Layer w8: K1.1@12498.87,7093.83 12575.65,7017.04 12881.22,7017.04 v1(12900,7035.82)
CH41: K1.2 U6.29 | length 1151.8
  Top Layer w8: v1(12900,7000) 13175,7000 v1(13250,6925)
  Bottom Layer w6: v1(13250,6925) 13250.07,6925 13262.4,6937.33 13330,6937.33 13333.15,6934.18 U6.29@13374.33,6934.18
  Bottom Layer w8: K1.2@12298.87,7093.83 12362.7,7030 12508.52,7030 12538.52,7000 v1(12900,7000)
CH42: K1.3 U6.23 | length 1403.1
  Bottom Layer w6: K1.3@12198.87,7093.83 12295.53,6997.17 12410,6997.17 12447.17,6960 12902.75,6960 13130.59,6732.16 13326.5,6732.16 13370.39,6776.05 U6.23@13370.39,6839.69
CH43: K2.1 U6.34 | length 175.4
  Bottom Layer w8: K2.1@13248.86,7093.83 13321.9,7020.79 U6.34@13394.02,7020.79
CH44: K2.2 U6.33 | length 361.6
  Bottom Layer w6: K2.2@13048.86,7093.83 13145.52,6997.17 U6.33@13370.39,6997.17
CH45: K2.3 U6.32 | length 472
  Bottom Layer w6: K2.3@12948.86,7093.83 12998.42,7044.27 13074.29,7044.27 13136.8,6981.75 13374,6981.75 U6.32@13374.33,6981.42
CH46: K3.1 U6.3 | length 480.8
  Top Layer w6: v1(13715.43,6965.67) 13794.76,7045 13950.05,7045 K3.1@13998.89,7093.83
  Bottom Layer w6: U6.3@13571.18,6965.67 v1(13715.43,6965.67)